# Altium PCB PCB1.PcbDoc (part 3 of 3)
Units mil, origin at the board's own origin, x right, y up, seen from the top; angles counter-clockwise.
Board outline 3937.01 x 2755.91 mil, 2 copper layers (Top Layer, Bottom Layer); 150 components, 153 nets, 622 pads, 617 vias.
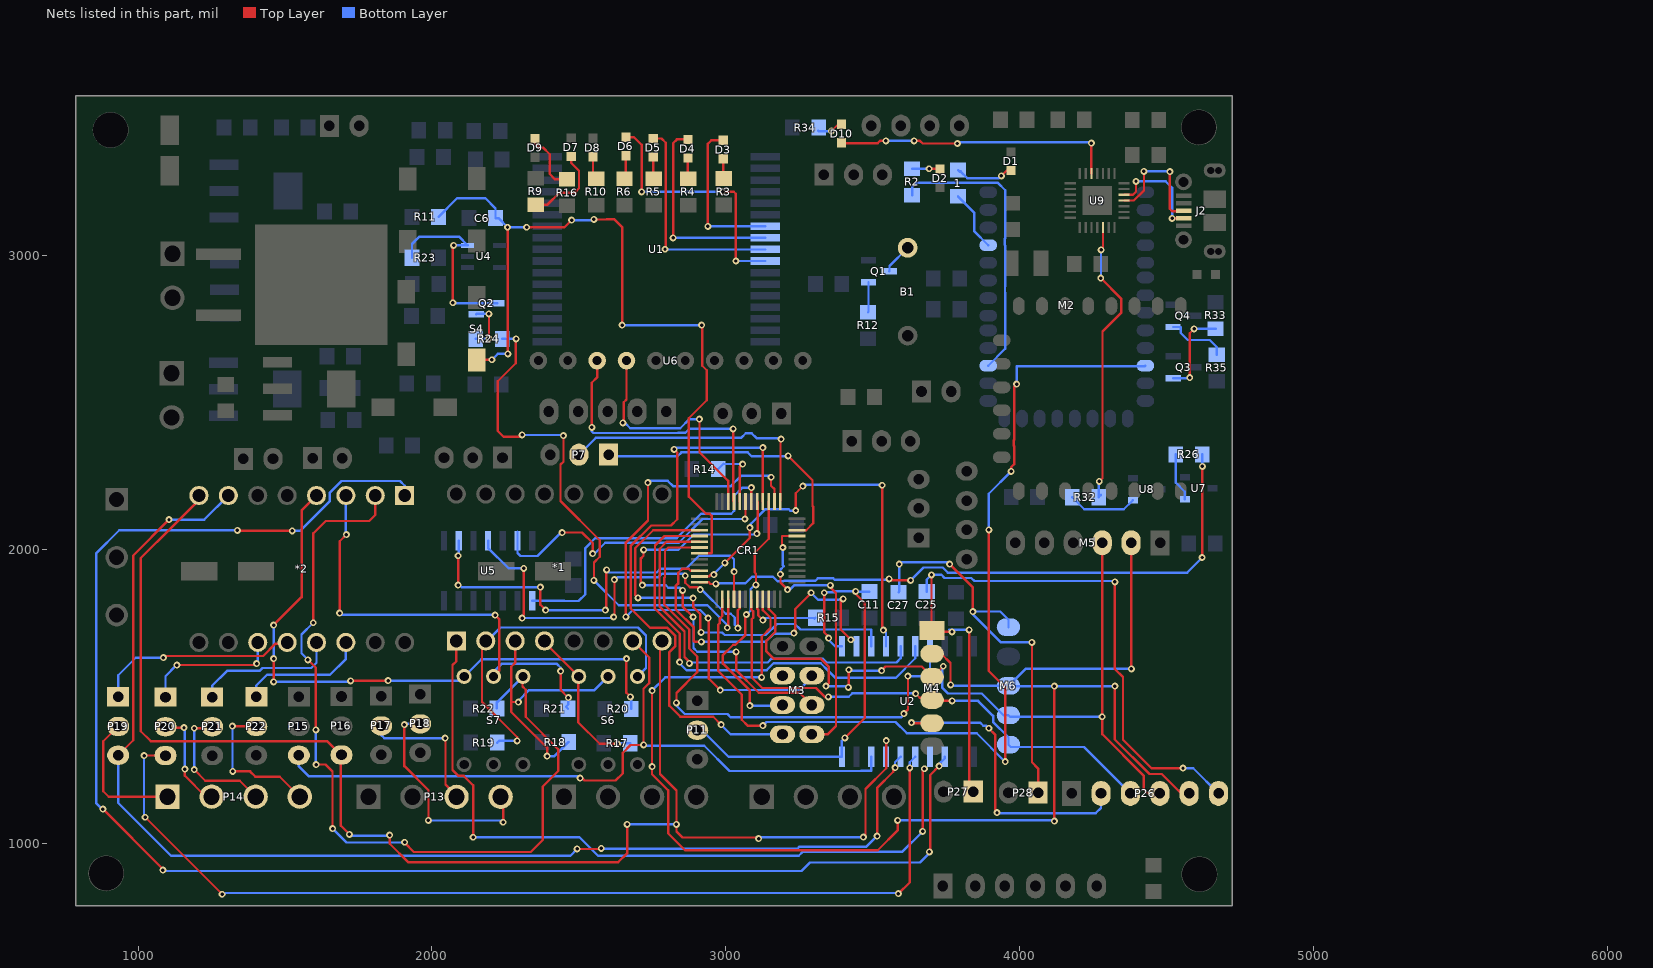
[diagram p3: the nets of this part, all layers, seen from the top]

## Via types
v1: diameter 23.62, hole 11.81, Top Layer to Bottom Layer, tented both sides, 615 vias
v2: diameter 23.62, hole 11.81, Top Layer to Bottom Layer, 2 vias

## Nets (pads, with @x,y where several pads share a name; then routed paths per layer and width w, separated by ;. In a path a pad name is that pad's centre, name@x,y a point inside that pad or via, vN(x,y) a via of type N, cw(c..) or ccw(c..) an arc to the next point about the centre after c; other vN are vias at no path point) (continued)
MTR1_C3: P13.3 P17.2 | length 477.7
  Top Layer w8: v1@2046,1357 2046,1199 2083.66,1161.34 P13.3@2083.66,1157.48
  Bottom Layer w8: P17.2@1827,1407 P17.2@1827,1399 1827,1368 1838,1357 v1@2046,1357
  other v1: 2045,1357
MTR1_C4: P13.4 P18.2 | length 761.6
  Top Layer w8: v1(1906,1403) 1906,1261.98 1987.99,1179.99 v1(1987.99,1077.01) ; P13.4@2233.66,1157.48 2242,1149.14 v1(2242,1071)
  Bottom Layer w8: v1(1906,1403) 1909,1406 P18.2@1960,1406 ; v1(1987.99,1077.01) 2235.99,1077.01 v1(2242,1071)
MTR1_DIR: *1.1 *2.1 P16.3 U2.17 | length 4904.4
  Top Layer w8: *2.1@1206,2184 *2.1@1207,2183 1207,2167.91 1115.28,2076.19 1115.19,2076.19 1009,1970 1009,1381 1043,1347 1643,1347 1690,1300 1690,1059 v1(1719,1030) ; v1(1856,1027) 1856,998 1918.81,935.19 2634.19,935.19 2664,965 v1(2664,1064) ; *1.1@2783,1688 2776,1681 2776,1235 2832,1179 v1(2832,1064) 2832,1040 2853,1019 3108,1019 v1(3112,1015) ; v1(3468.5,1020.5) 3475.58,1027.58 3475.58,1184.08 3546,1254.5 v1(3546,1349)
  Bottom Layer w8: v1(1719,1030) 1723.81,1025.19 1854.19,1025.19 v1(1856,1027) ; v1(2664,1064) v1(2832,1064) ; v1(3112,1015) 3117,1020 3469,1020 v1(3468.5,1020.5) ; U2.17@3545,1294 3545,1348 v1(3546,1349)
MTR1_ENB: *1.8 U2.14 | length 2522.7
  Top Layer w8: *1.8@2083,1688 2083,1619 2070,1606 2070,1249 2090.27,1228.73 2108.27,1228.73 2140,1197 v1(2140,1020) ; v1(3670,1040) 3670,1249 3676,1255 v1(3676,1253)
  Bottom Layer w8: v1(2140,1020) 2502,1020 2564.81,957.19 3248.01,957.19 3260.82,970 3600,970 v1(3670,1040)
MTR1_PWM: *1.2 P15.3 U2.18 | length 2583.8
  Top Layer w8: v1(2504,1221) 2504,1226 2505,1227 2519,1213 2625,1213 2649,1237 2649,1307 2676,1334 v1(2720,1334) 2720,1525.26 2738.74,1544 2739,1544 2740,1545 2740,1631 *1.2@2683,1688
  Bottom Layer w8: P15.3@1547,1307 P15.3@1547,1299 1547,1261 1580,1228 2497,1228 v1(2504,1221) ; v1(2720,1334) 2722.5,1331.5 2926.85,1331.5 3012.85,1245.5 3460.88,1245.5 3461.38,1246 3495,1246 U2.18@3495,1294
MTR2_A1: *2.13 P19.1 | length 696.8
  Top Layer w8: v1(1086,1631) 1092,1637 1426,1637 1467.84,1678.84 1507,1678.84 *2.13@1507,1683
  Bottom Layer w8: P19.1@932,1498 932,1571 992,1631 v1(1086,1631)
MTR2_A2: *2.14 P20.1 | length 469.8
  Top Layer w8: v1(1132,1606) 1400,1606 v1@1403,1609
  Bottom Layer w8: P20.1@1093,1497 1093,1568 v1@1129,1604 ; v1@1403,1609 1407,1613 *2.14@1407,1683
  other v1: 1403,1611
MTR2_B1: *2.12 P21.1 | length 495.3
  Bottom Layer w8: P21.1@1252,1497 1252,1536 1302.19,1586.19 1413.28,1586.19 1423.09,1596 1589,1596 1607,1614 *2.12@1607,1683
MTR2_B2: *2.11 P22.1 | length 431.7
  Bottom Layer w8: P22.1@1402,1503 1402,1536 1439,1573 1653,1573 1707,1627 *2.11@1707,1683
MTR2_C1: P14.1 P19.2 | length 467.6
  Top Layer w8: P19.2@932,1397 881.5,1346.5 881.5,1176.5 900,1158 P14.1@1100,1158
MTR2_C2: P14.2 P20.2 | length 349.9
  Top Layer w8: P20.2@1093,1396 1096,1393 v1(1156,1393) ; v1(1159,1252) 1159,1229 1230,1158 P14.2@1250,1158
  Bottom Layer w8: v1(1156,1393) 1159,1390 v1(1159,1252)
MTR2_C3: P14.3 P21.2 | length 451.2
  Top Layer w8: v1(1191,1250) 1228.66,1212.34 1345.66,1212.34 P14.3@1400,1158 ; v1(1191,1391) 1247,1391 P21.2@1252,1396
  Bottom Layer w8: v1(1191,1250) v1(1191,1391)
MTR2_C4: P14.4 P22.2 | length 500.7
  Top Layer w8: v1(1321,1398) 1398,1398 P22.2@1402,1402 ; v1(1322,1244) 1381,1244 1399,1226 1482,1226 P14.4@1550,1158
  Bottom Layer w8: v1(1321,1398) 1321,1245 v1(1322,1244)
MTR2_DIR: P20.3 U2.15 | length 3459.8
  Top Layer w8: v1(1020,1298) P20.3@1093,1298 ; v1(1024,1088) v1(1286,826) ; v1(3587,828) 3588,828 3626.58,866.58 3626.58,1255.42 v1(3626,1256)
  Bottom Layer w8: v1(1020,1298) 1020,1092 v1(1024,1088) ; v1(1286,826) 1286,819 1297.19,830.19 3584.81,830.19 v1(3587,828) ; v1(3626,1256) 3626,1275 U2.15@3645,1294
MTR2_ENB: *2.8 U2.13 | length 5377.7
  Top Layer w8: v1(880,1116) 1084,912 v1(1084,908) ; v1(1337.46,2064.51) 1339.28,2062.69 v1(1524.44,2062.69) ; v1(3693,970) 3695.5,972.5 3695.5,1231.5 v1(3726,1262)
  Bottom Layer w8: v1(880,1116) 877,1116 857,1136 857,1986 935.51,2064.51 v1(1337.46,2064.51) ; v1@1080,905 3258,905 3287,934 3661,934 3697,970 v1(3693,970) ; v1(1524.44,2062.69) 1551.01,2062.69 1652.48,2164.16 1652.48,2193.08 1691.59,2232.19 1891.31,2232.19 1907,2216.5 *2.8@1907,2183 ; v1(3726,1262) 3726,1269 3745,1288 U2.13@3745,1294
MTR2_PWM: *2.2 P19.3 U2.16 | length 4263
  Top Layer w8: P19.3@932,1299 983,1350 983,1979 v1(1105,2101) ; v1(2494,980) 2574,980 v1(2576,982) ; v1(3515,1024) 3515,1188 3570,1243 3570,1257 v1(3576,1257)
  Bottom Layer w8: P19.3@932,1299 932,1137 1112,957 2471,957 v1(2494,980) ; v1(1105,2101) 1225,2101 *2.2@1307,2183 ; v1@2577,981 3244,981 3251,988 3479,988 v1(3515,1024) ; v1(3576,1257) 3576,1275 U2.16@3595,1294
Net1_1: 1.1 M2.31 | length 208.8
  Bottom Layer w8: 1.1@3790,3201 3845,3146 3845,3082.89 M2.31@3893,3034.89
Net1_2: 1.2 D1.1 | length 205.1
  Top Layer w8: v1(3938,3271) 3956.01,3289.01 D1.1@3971,3289.01
  Bottom Layer w8: 1.2@3790,3291 3797,3284 3799,3286 3822.11,3262.89 3928.89,3262.89 3937,3271 v1(3938,3271)
Net*1_5: *1.5 R17.1 S6.6 | length 540.1
  Top Layer w8: *1.5@2383,1688 2383,1683.79 S6.6@2499.46,1567.32 2498,1565.86 2498,1410.95 2570.95,1338 v1(2631,1338)
  Bottom Layer w8: S6.6@2495.14,1563 S6.6@2499.46,1567.32 ; v1(2631,1338) 2633,1340 R17.1@2675,1340
Net*1_6: *1.6 R18.1 S6.5 | length 910.3
  Top Layer w8: *1.6@2283,1688 2283,1613 2270,1600 2270,1479 ; v1(2294,1480) 2271,1480 2270,1479 ; v1(2392,1296) 2392,1324 2270,1446 2270,1479
  Bottom Layer w8: v1(2294,1480) 2294,1484.25 2330.56,1520.81 2552.95,1520.81 S6.5@2599.46,1567.32 ; v1@2392,1295 v1(2392,1296) 2417,1296 R18.1@2465,1344
Net*1_7: *1.7 R19.1 S6.4 | length 1192.9
  Top Layer w8: *1.7@2183,1688 2170,1675 2170,1480 2290,1360 v1(2290,1348)
  Bottom Layer w8: *1.7@2183,1688 2187.54,1688 2233.54,1734 2701.32,1734 2728.48,1706.84 2728.48,1596.34 S6.4@2699.46,1567.32 ; R19.1@2222,1342 2228,1348 v1(2290,1348)
Net*2_5: *2.5 R20.1 S7.6 | length 2111.4
  Top Layer w8: v1(1461,1549) 1461,1627.84 v1(1461.16,1628) ; v1(1461.16,1742.16) 1556.19,1837.19 1556.19,2132.19 *2.5@1607,2183 ; v1(1723,1552) 1842,1552 1846,1548 v1(1851,1553) ; v1(2662,1628) 2660.87,1626.87 2660.87,1512.13 v1(2675,1498)
  Bottom Layer w8: v1(1461,1549) 1720,1549 v1(1723,1552) ; v1(1461.16,1628) 1461.16,1739.84 1460,1741 v1(1461.16,1742.16) ; v1(1851,1553) 2095.18,1553 S7.6@2109.51,1567.32 2168.18,1626 2660,1626 v1(2662,1628) ; v1(2675,1498) 2678.2,1494.8 R20.1@2678.2,1456.69
Net*2_6: *2.6 R21.1 S7.5 | length 1581.8
  Top Layer w8: v1(1686,1783) 1686,2027 v1(1709,2050) ; S7.5@2209.51,1567.32 2228.48,1586.3 2228.48,1762.52 v1(2215,1776) ; v1(2438,1585) 2438,1521 v1(2464,1495)
  Bottom Layer w8: v1(1686,1783) 1692.19,1776.81 2214.19,1776.81 v1(2215,1776) ; *2.6@1707,2183 1707,2052 v1(1709,2050) ; S7.5@2209.51,1567.32 2209.51,1582.51 2237,1610 2425,1610 2438,1597 v1(2438,1585) ; R21.1@2463,1457 2456,1464 2464,1472 v1(2464,1495)
Net*2_7: *2.7 R22.1 S7.4 | length 2944.2
  Top Layer w8: v1(1578,1623.86) 1605,1596.86 v1(1605,1385) ; v1(1596,1750) 1596,2054 1638.19,2096.19 1786.28,2096.19 1807,2116.91 *2.7@1807,2183 ; v1(1606,1267.32) 1637.68,1267.32 1661.52,1243.48 v1(1661.52,1049.52) ; v1(1907,1003) 1906,1002 1938.13,969.87 2335.87,969.87 2377,1011 2377,1192.73 2430,1245.73 2430,1319 2319,1430 2319,1522 2308,1533 2308,1565.82 S7.4@2309.51,1567.32 S7.4@2319,1557.83
  Bottom Layer w8: v1(1578,1623.86) 1556,1645.86 1556,1710 v1(1596,1750) ; v1(1605,1385) 1605,1268.32 v1(1606,1267.32) ; v1@1661,1049 v1(1661.52,1049.52) 1708.81,1002.19 1906.19,1002.19 v1(1907,1003) ; R22.1@2221,1458 2221,1478.82 S7.4@2309.51,1567.32
NetB1_2: B1.2 Q1.3 | length 106.5
  Bottom Layer w8: Q1.3@3556.36,2946 3557,2946 3557,2964.21 B1.2@3619,3026.21
NetC25_2: C25.2 M4.1 P26.6 P27.1 | length 2566.1
  Top Layer w8: v1(3700,1913) M4.1@3700,1744 ; v1(3769.83,1719.19) 3706.03,1719.19 M4.1@3702,1723.22 ; v1(3828,1726) 3828,1189 P27.1@3842,1175 ; v1(4324,1889) 4324,1593 4352,1565 4352,1352 4449,1255 v1(4556,1255) ; M4.1@3700,1744 3702,1742 M4.1@3702,1723.22 ; M4.1@3700,1744 3700,1725.22 M4.1@3702,1723.22
  Bottom Layer w8: C25.2@3684,1856 3684,1897 v1(3700,1913) 3734,1913 3744.5,1902.5 3835.5,1902.5 3846,1892 4321,1892 v1(4324,1889) ; v1(3769.83,1719.19) 3766.81,1719.19 3760,1726 v1(3828,1726) ; v1(4556,1255) 4591,1255 P26.6@4677,1169
NetC27_2: C27.2 M6.1 P28.1 | length 1386.8
  Top Layer w8: v1(3761.5,1949.5) 3841,1870 v1(3841,1788) ; v1(4042,1683) 4042,1275 4063,1254 P28.1@4063,1172
  Bottom Layer w8: C27.2@3588,1854 3590.24,1856.24 v1(3590.24,1949.5) 3596.55,1955.81 3755.19,1955.81 v1(3761.5,1949.5) ; v1@3840,1780 3937,1683 v1(4042,1683) ; v1(3841,1788) 3934,1788 3962,1760 M6.1@3962,1735
NetCR1_3: CR1.3 U2.3 | length 1402
  Top Layer w8: v1(2701.19,1834.81) 2692,1844 2692,2004.09 2752.81,2064.9 CR1.3@2911,2064.9 ; v1(2889,1834) 2889,1803.16 2912.81,1779.34 2912.81,1710.81 2916,1714 v1(2916,1717)
  Bottom Layer w8: v1@2708.19,1834.81 2888.19,1834.81 v1(2889,1834) ; v1(2916,1717) 2987.33,1717 2996.14,1708.19 3136.16,1708.19 3173.79,1745.81 3234.86,1745.81 3253.67,1727 3495,1727 U2.3@3495,1670
NetCR1_4: CR1.4 U2.6 | length 1520.2
  Top Layer w8: v1(2843,1616) 2843.48,1616.48 2843.48,1713.45 2758.19,1798.74 2758.19,1916.12 2759,1916.93 2759,2013 2791.21,2045.21 CR1.4@2911,2045.21
  Bottom Layer w8: v1(2843,1616) 2838.33,1616 2866.14,1588.19 3138.79,1588.19 3162.6,1612 3323.4,1612 3348,1587.4 3373.21,1562.19 3578.19,1562.19 3645,1629 U2.6@3645,1670
NetCR1_5: CR1.5 U2.5 | length 1356.2
  Top Layer w8: v1(2876,1612) 2876,1616.67 2859.48,1633.19 2859.48,1720.07 2774.19,1805.36 2774.19,1909.49 2775,1910.3 2775,2002 2798.53,2025.53 CR1.5@2911,2025.53
  Bottom Layer w8: v1(2876,1612) 2878.81,1614.81 3142.79,1614.81 3155.98,1628 3330.02,1628 3343.21,1614.81 3580.81,1614.81 3595,1629 U2.5@3595,1670
NetCR1_6: CR1.6 U2.7 | length 1818.7
  Top Layer w8: v1(2832,1477) 2832,1511 2903,1582 2903,1635 2875.48,1662.52 2875.48,1726.7 2790.19,1811.99 2790.19,1902.86 2793,1905.67 2793,1995 2803.84,2005.84 CR1.6@2911,2005.84 ; v1(3606,1441) 3620,1455 v1(3620,1568)
  Bottom Layer w8: v1(2832,1477) 2832,1467.62 2860.12,1439.5 3005.24,1439.5 3016.74,1428 3596,1428 3606,1438 v1(3606,1441) ; v1(3620,1568) 3668,1568 3695,1595 U2.7@3695,1670
NetCR1_10: CR1.10 U2.2 | length 1142.4
  Top Layer w8: CR1.10@2911,1927.1 2880.22,1927.1 2873.51,1933.81 2852.14,1933.81 2838.19,1919.86 2838.19,1903.24 2837.81,1902.86 2837.81,1883.14 2829.19,1874.52 2829.19,1795.62 2891.48,1733.33 2891.48,1687.52 2894,1685 v1(2917,1685) ; v1(3232,1714.6) 3235.81,1718.41 3235.81,1796.19 v1@3290.81,1851.19 ; v1@3390.81,1826.56 3395.25,1831 v1(3399,1831) ; v1@3391,1826.37 3391,1727 v1(3426,1692)
  Bottom Layer w8: v1(2917,1685) 3135.6,1685 3162.6,1712 3223.4,1712 3226.4,1709 v1(3232,1714.6) ; v1(3290,1852) 3313.81,1828.19 3396.19,1828.19 v1(3399,1831) v1@3399,1834
NetCR1_11: CR1.11 U2.4 | length 1372.7
  Top Layer w8: CR1.11@2911,1907.42 2943.01,1907.42 2952.73,1917.14 2955.91,1913.96 v1(2959.38,1913.96) ; v1(2997,1954) 3082,2039 v1(3082,2074) ; v1(3238,2132) 3238,2190.82 v1(3262,2214.82) ; v1(3532,2218) 3532,1729 v1(3536,1725)
  Bottom Layer w8: v1(2959.38,1913.96) 2960,1914.59 2960,1917 v1(2997,1954) ; v1@3085,2074 3085,2086.47 3135.34,2136.81 3213.33,2136.81 3219.14,2131 3237,2131 v1(3238,2132) ; v1(3262,2214.82) 3266.99,2219.81 3530.19,2219.81 v1(3532,2218) ; v1(3536,1725) 3545,1716 U2.4@3545,1670
NetCR1_12: CR1.12 R26.1 | length 2152.4
  Top Layer w8: CR1.12@2911,1887.73 2942,1887.73 2947.73,1882 v1(2966,1882) ; v1(3556,1899) 3556,1896 3558,1894 v1(3629,1894) ; v1(4621,1972) 4622,1973 v1(4622,2282)
  Bottom Layer w8: v1(2966,1882) 2961.38,1882 2959.19,1884.19 3066.49,1884.19 3089.11,1906.81 3160.52,1906.81 3176.14,1891.19 3196.56,1891.19 3198.37,1893 3305.3,1893 3313.11,1900.81 3365.86,1900.81 3369.86,1896.81 3553.19,1896.81 v1@3556,1894 ; v1(3629,1894) 3672.81,1937.81 3738.1,1937.81 3755.41,1920.5 4570.5,1920.5 4621,1971 v1(4621,1972) ; R26.1@4621,2323 4621,2283 v1(4622,2282)
NetCR1_14: CR1.14 M2.11 | length 3263.4
  Top Layer w8: CR1.14@2988.42,1830 2988.42,1773.51 2979.81,1764.9 2979.81,1749.51 2974.09,1743.79 2974.09,1585.54 3054.19,1505.44 3054.19,1419.97 3074.16,1400 v1(3126.21,1400) ; v1(3895,2066) 3895,1586 3951,1530 v1(3951,1277) ; v1(3971,2265) 3971,2279.15 3981.3,2289.45 3981.3,2351.03 3980.19,2352.14 3980.19,2371.86 3981.3,2372.97 3981.3,2553.3 v1(3990,2562)
  Bottom Layer w8: v1(3126.21,1400) 3138.21,1412 3578,1412 3616.19,1373.81 3853.79,1373.81 3950.6,1277 v1(3951,1277) ; v1(3895,2066) 3895,2189 v1(3971,2265) ; v1(3990,2562) 3990.19,2562.19 3990.19,2623.19 4426.3,2623.19 M2.11@4428,2624.89
NetCR1_15: CR1.15 R24.2 | length 1809.9
  Top Layer w8: v1(2286,2716) 2285,2715 2285,2633.08 2224,2572.08 2224,2402.33 2243.33,2383 2307.5,2383 2307,2383.5 v1(2307,2389) ; v1(2447,2387) 2447.5,2386.5 2447.5,2298.15 2437.52,2288.17 2437.52,2163.94 2570.81,2030.64 2570.81,1974.3 2551.19,1954.67 2551.19,1894.19 v1(2551,1894) ; v1(3005,1733) 3008.1,1736.1 CR1.15@3008.1,1830
  Bottom Layer w8: R24.2@2239,2716 v1(2286,2716) ; v1(2307,2389) 2445,2389 v1(2447,2387) ; v1(2551,1894) 2635.71,1809.29 2937.71,1809.29 3005,1742 v1(3005,1733)
NetCR1_16: CR1.16 U5.2 | length 1471.9
  Top Layer w8: v1(2088.97,1877.81) v1(2089,1978) ; v1(2369,1871) 2369,1811 v1(2387,1793) ; v1(2590,1793) 2593.19,1796.19 2593.19,1929.19 v1(2594,1930) ; CR1.16@3027.79,1830 3027.79,1923.79 v1(3028,1924)
  Bottom Layer w8: v1(2088.97,1877.81) v1@2088.97,1882.97 ; v1@2089,1883 2101,1871 v1(2369,1871) ; v1(2089,1978) 2091,1980 U5.2@2091,2029.5 ; v1(2387,1793) v1(2590,1793) ; v1(2594,1930) 2602.81,1921.19 2764.74,1921.19 2777.67,1934.11 2865.5,1934.11 2909.2,1977.81 3016.19,1977.81 3028,1966 v1(3028,1924)
NetCR1_17: CR1.17 U5.4 | length 1424.4
  Top Layer w8: v1(2307,1766) 2304,1769 2312.37,1777.37 v1(2312.37,1935.14) ; v1(2618.48,1769.48) 2617,1770.96 2621,1774.96 v1(2621,1897) ; v1(2862,1910) 2862,1886.26 2877.03,1871.23 2904.77,1871.23 v1(2913,1863) ; v1(3041,1732) 3041,1792.74 3047.47,1799.21 CR1.17@3047.47,1830
  Bottom Layer w8: U5.4@2191,2029.5 2191,2004.37 2260.23,1935.14 v1(2312.37,1935.14) ; v1(2307,1766) 2615,1766 v1(2618.48,1769.48) ; v1(2621,1897) 2624,1897 2632.19,1905.19 2771.37,1905.19 2782.99,1916.81 2858,1916.81 v1@2862,1912.81 ; v1(2913,1863) 2917.67,1863 2999.86,1780.81 3016.86,1780.81 3030.19,1767.48 3030.19,1742.81 v1(3041,1732)
NetCR1_20: CR1.20 R15.1 | length 264.5
  Top Layer w8: CR1.20@3106.53,1830 3106.53,1797.77 3109.81,1794.49 3109.81,1775.4 v1(3126.21,1759)
  Bottom Layer w8: v1(3126.21,1759) 3126.21,1761.79 3130.42,1766 3213.67,1766 3300,1766 3302,1764 R15.1@3305,1767
NetCR1_33: CR1.33 M3.8 | length 982.9
  Top Layer w8: v1(3186,1915) 3186,1887 v1(3210,1863) ; v1(3194.19,2006.01) 3191,2009.2 3191,2045.21 CR1.33@3243,2045.21 ; M3.8@3293,1370 3346,1370 3375,1399 3375,1811.81 3374.81,1812 3374.81,1850.86 3356,1869.67 v1(3356,1877)
  Bottom Layer w8: v1(3186,1915) 3186,1931 3197,1942 3194.19,1944.81 v1(3194.19,2006.01) ; v1(3210,1863) 3218,1863 3232,1877 v1(3356,1877)
NetCR1_38: CR1.38 M3.4 | length 1923.1
  Top Layer w8: v1(2660,1770) 2660,2023 2735,2098 v1(2735,2227) ; v1(2940,1766) 2942.09,1763.91 2942.09,1559.91 v1(2981,1521) ; v1(3154,2245.16) 3154,2216.37 3165.58,2204.79 CR1.38@3165.58,2162
  Bottom Layer w8: v1(2660,1770) 2683.29,1793.29 2912.71,1793.29 v1(2940,1766) ; v1(2735,2227) 2735,2228.96 2739.52,2233.48 2801.84,2233.48 2820.32,2215 3016.75,2215 3051.56,2249.81 3149.35,2249.81 v1(3154,2245.16) ; v1(2981,1521) 3249,1521 3295.5,1567.5 M3.4@3293,1570
NetCR1_39: CR1.39 M3.5 | length 923.9
  Top Layer w8: v1(3070,1778) 3070,1779 3066.7,1779 3066.7,1708.7 3032.81,1674.81 3025.14,1674.81 2990.09,1639.76 2990.09,1611 3082,1519.08 v1(3082,1468) ; v1(3102,1879) 3103,1879 3103,1916.33 3098.19,1921.14 3098.19,1988.41 3145.9,2036.12 CR1.39@3145.9,2162
  Bottom Layer w8: v1(3070,1778) 3071.28,1778 3084,1790.72 3084,1864 3099,1879 v1(3102,1879) ; v1(3082,1468) 3191,1468 M3.5@3193,1470
NetCR1_40: CR1.40 M3.7 | length 2004.5
  Top Layer w8: v1@2826.1,2340 v1(2824,2340) 2835.04,2328.96 2835.04,2102.04 2813.9,2080.9 2746.18,2080.9 2676,2010.72 2676,1799.21 2742.73,1732.48 2801.42,1732.48 2827.48,1706.42 2827.48,1669.58 2807.92,1650.02 2807.92,1467.41 2845.33,1430 2957,1430 v1(2984,1403) ; CR1.40@3126.21,2162 v1(3126.21,2346.21)
  Bottom Layer w8: v1(2824,2340) 2829.81,2345.81 3125.81,2345.81 v1(3126.21,2346.21) ; v1(2984,1403) 3017,1370 M3.7@3193,1370
NetCR1_41: CR1.41 M3.6 | length 1537
  Top Layer w8: v1(2716,1877.72) 2711,1882.72 2711,1969 2720.11,1978.11 v1(2720.11,1998.11) ; v1(2853,1860) 2853,1805.48 v1(2889,1769.48) ; v1(3035,1651) 3035,1588.86 3111.86,1512 3251,1512 M3.6@3293,1470 ; v1@3106,2051.57 v1@3106.53,2051.04 ; v1(3106,2053) 3106,2051.86 3106.67,2051.18 v1@3106.53,2051.04 ; CR1.41@3106.53,2162 3108.81,2159.72 3108.81,2048.76 v1@3106.53,2051.04
  Bottom Layer w8: v1(2716,1877.72) 2795.04,1877.72 2795.33,1878 2804.14,1869.19 2843.81,1869.19 v1(2853,1860) v1@2853,1866 ; v1(2720.11,1998.11) 2838.99,1998.11 2891.06,2050.19 3103.19,2050.19 v1(3106,2053) ; v1(2889,1769.48) 2890,1768.48 2890,1664 2903,1651 v1(3035,1651)
NetCR1_42: CR1.42 U5.8 | length 1075.6
  Top Layer w8: CR1.42@3086.84,2162 3087,2162.16 v1(3087,2210)
  Bottom Layer w8: U5.8@2341,1824.5 2450.5,1824.5 2451,1824 2498.88,1824 2522,1847.12 2522,2004 2555.92,2037.92 2832.92,2037.92 2915.81,2120.81 3018.28,2120.81 3029,2131.53 3029,2182 3057,2210 v1(3087,2210)
NetCR1_43: CR1.43 U5.6 | length 1058.3
  Top Layer w8: v1(2443,2057) 2511,2057 2547,2021 v1(2547,1985) 2547,1982 v1@2545,1980 ; v1(3065,2103) 3067.16,2105.16 CR1.43@3067.16,2162
  Bottom Layer w8: U5.6@2291,2060 U5.6@2291,2029.5 2291,1987 2301,1977 2359,1977 2439,2057 v1(2443,2057) ; v1(2547,1985) 2547,1979 2589.92,2021.92 2839.55,2021.92 2920.63,2103 v1(3065,2103)
NetCR1_44: CR1.44 R14.1 | length 223.4
  Top Layer w8: CR1.44@3047.47,2162 3047.47,2281.47 3056,2290 v1(3057,2290)
  Bottom Layer w8: R14.1@2974,2273 2992,2291 2993,2290 v1(3057,2290)
NetCR1_45: CR1.45 U6.3 | length 986.6
  Top Layer w8: v1(2544,2415) 2544,2567 2562,2585 U6.3@2562,2642 ; v1(3025,2410) 3025,2164.79 CR1.45@3027.79,2162
  Bottom Layer w8: v1(2544,2415) 2544,2401 2549.19,2395.81 2838.47,2395.81 2838.66,2396 2861.97,2396 2875.97,2410 v1(3025,2410)
NetCR1_46: CR1.46 U6.4 | length 835
  Top Layer w8: v1@2652.5,2430 2652.5,2500.35 2662,2509.85 U6.4@2662,2642 ; v1(2910,2443) 2910,2444 2910.5,2444.5 2910.5,2330.49 3008.1,2232.89 CR1.46@3008.1,2162
  Bottom Layer w8: v1(2650,2430) 2657,2430 2675,2412 2845.14,2412 2876.14,2443 v1(2910,2443) ; U6.4@2652,2632 U6.4@2662,2642
NetD2_1: D2.1 R2.2 | length 95.2
  Top Layer w8: v1(3692,3295) 3692.5,3294.5 D2.1@3729,3294.5
  Bottom Layer w8: R2.2@3634,3295 v1(3692,3295)
NetD3_1: D3.1 R3.1 | length 67.6
  Top Layer w8: D3.1@2991.5,3329.01 2991.5,3263.5 R3.1@2993,3262
NetD3_2: D3.2 U1.7 | length 533
  Top Layer w8: v1(2939,3099.22) 2939,3380 2951,3392 D3.2@2991.5,3392
  Bottom Layer w8: v1(2939,3099.22) U1.7@3133.73,3099.22
NetD4_1: D4.1 R4.1 | length 71.1
  Top Layer w8: D4.1@2871,3332.01 2871,3262.3 R4.1@2872,3261.3
NetD4_2: D4.2 U1.8 | length 690.6
  Top Layer w8: v1(2821,3059.85) 2821,3382.5 2833.5,3395 D4.2@2871,3395
  Bottom Layer w8: v1(2821,3059.85) U1.8@3133.73,3059.85
NetD5_1: D5.1 R5.1 | length 75
  Top Layer w8: D5.1@2753,3335.13 2753,3263 R5.1@2755,3261
NetD5_2: D5.2 U1.9 | length 753
  Top Layer w8: D5.2@2753,3398.13 2780.87,3398.13 2795.5,3383.5 2795.5,3023.5 v1(2793,3021)
  Bottom Layer w8: v1(2793,3021) 2793.52,3020.48 U1.9@3133.73,3020.48
NetD6_1: D6.1 R6.2 | length 80.6
  Top Layer w8: R6.2@2655,3261 2660,3266 D6.1@2660,3339.5
NetD6_2: D6.2 U1.10 | length 879.5
  Top Layer w8: D6.2@2660,3402.5 2687.76,3402.5 2713.5,3376.75 v1(2713.5,3216.5) ; v1(2989,3217) 3027,3217 3034,3210 v1(3034,2981.11)
  Bottom Layer w8: v1(2713.5,3216.5) 2717,3213 2721,3217 v1(2989,3217) ; v1(3034,2981.11) U1.10@3133.73,2981.11
NetD7_1: D7.1 R9.1 | length 289.4
  Top Layer w8: R9.1@2353,3173 2393.12,3173 2433.12,3213 2484.88,3213 2500.5,3228.62 2500.5,3288.5 2474,3315 D7.1@2474,3336.5
NetD8_1: D8.1 R10.1 | length 79.3
  Top Layer w8: D8.1@2548,3335.77 2548,3272 R10.1@2559,3261
NetD9_2: D9.2 R16.2 | length 215.3
  Top Layer w8: D9.2@2351,3397.5 2351,3381 2365,3367 2378,3367 2400.5,3344.5 2400.5,3277.5 2419,3259 R16.2@2460,3259
NetD10_1: D10.1 U9.12 | length 966.3
  Top Layer w8: D10.1@3394,3383.5 3395.32,3382.19 3517.19,3382.19 3525,3390 v1(3545,3390) ; v1(3641,3390) 3661,3390 3670,3381 v1(3788,3381) ; v1(4244,3382) 4244,3278.81 U9.12@4244.31,3278.5
  Bottom Layer w8: v1(3545,3390) v1(3641,3390) ; v1@3788,3383 3789.81,3384.81 4244.57,3384.81 4242,3382.24 v1@4242,3382
NetD10_2: D10.2 R34.2 | length 89.1
  Top Layer w8: v1(3359,3423) 3382.5,3446.5 D10.2@3394,3446.5
  Bottom Layer w8: R34.2@3315,3424 3316,3423 v1(3359,3423)
NetM2_24: M2.24 R2.1 | length 983.7
  Bottom Layer w8: R2.1@3634,3205 3634,3232 3648.89,3246.89 3926.11,3246.89 3950.98,3222.02 3950.98,3058.07 3949.19,3056.28 3949.19,3035.72 3950.98,3033.93 3950.98,2894.66 3950.19,2893.86 3950.19,2874.14 3950.98,2873.34 3950.98,2682.87 M2.24@3893,2624.89
NetM3_3: M3.3
NetQ1_1: Q1.1 R12.2 | length 102.2
  Bottom Layer w8: R12.2@3484,2807 3485.79,2808.79 Q1.1@3485.79,2908.5
NetQ2_1: Q2.1 R24.1 | length 172.8
  Top Layer w8: v1(2194,2717) v1(2194,2801)
  Bottom Layer w8: R24.1@2149,2716 2193,2716 v1(2194,2717) ; Q2.1@2151,2800 2152,2801 v1(2194,2801)
NetQ2_3: Q2.3 R23.1 U4.3 | length 654.3
  Top Layer w8: v1(2071,2839) 2071,3032 v1(2073.4,3034.4)
  Bottom Layer w8: R23.1@1932,2992 1932,3039 1957,3064 2091.65,3064 U4.3@2121.25,3034.4 v1(2073.4,3034.4) ; v1(2071,2839) 2072.5,2837.5 Q2.3@2221.57,2837.5
NetQ3_1: Q3.1 R33.2 | length 302.9
  Top Layer w8: v1(4579,2584) 4579,2735 v1(4594,2750)
  Bottom Layer w8: Q3.1@4522.79,2581.5 4576.5,2581.5 v1(4579,2584) ; v1(4594,2750) 4595,2751 R33.2@4667,2751
NetQ4_1: Q4.1 R35.1 | length 215.6
  Bottom Layer w8: Q4.1@4521.79,2756.5 4548,2756.5 4548,2736 4572,2712 4647,2712 4671,2688 R35.1@4671,2662
NetR26_2: R26.2 U7.1 | length 166.3
  Bottom Layer w8: R26.2@4531,2323 4531,2227 4562,2196 U7.1@4562,2169.5
NetR32_1: R32.1 U8.1 | length 235.6
  Bottom Layer w8: R32.1@4179,2177 4220,2136 4354.5,2136 U8.1@4385,2166.5
NetR32_2: R32.2 U9.26 | length 992
  Top Layer w8: v1(4271,2231) 4281.81,2241.81 4281.81,2740.88 4345.26,2804.33 4345.26,2853.74 v1(4276,2923) ; v1(4277,3019) 4278,3019 4283.68,3024.68 U9.26@4283.68,3095.5
  Bottom Layer w8: v1@4269,2230 R32.2@4269,2177 R32.2@4277,2185 ; v1(4276,2923) 4277,2924 v1(4277,3019)
NRST: C6.2 CR1.7 R11.1 S4.1 | length 2775.9
  Top Layer w8: S4.1@2155.79,2643.7 S4.1@2152,2643.7 2153.3,2645 v1(2204,2645) ; v1(2258,2665) v1@2258,3094 ; v1(2322,3096) 2451,3096 v1(2475,3120) ; v1(2551,3122.5) 2593.83,3122.5 2594.14,3122.81 2620.82,3122.81 2647,3096.63 v1(2647,2763) ; CR1.7@2911,1986.16 2950.2,1986.16 2952,1987.95 2952,2113.74 2944.97,2120.77 2932.56,2120.77 2874,2179.33 2874,2446 2935,2507 2935,2609.6 2920,2624.6 2920,2763 v1(2918,2763)
  Bottom Layer w8: R11.1@2022,3131 2086,3195 2181,3195 2216,3160 C6.2@2216,3127 2226,3127 v1(2257,3096) v1(2322,3096) ; v1(2204,2645) 2224,2665 v1(2258,2665) ; v1(2475,3120) 2548.5,3120 v1(2551,3122.5) ; v1(2647,2763) v1(2918,2763)
RF_CS: M4.5 P26.2 | length 1051.5
  Top Layer w8: v1(3632,1410) 3633.74,1408.26 M4.5@3702,1408.26 ; v1(3895,1391) 3916.5,1369.5 3916.5,1110.5 v1(3923,1104)
  Bottom Layer w8: v1(3632,1410) 3865.33,1410 3876.14,1399.19 3886.81,1399.19 v1(3895,1391) ; v1(3923,1104) 3925,1102 4259,1102 4277,1120 P26.2@4277,1169
RF_RXD: CR1.21 M4.2 M5.2 M6.3 P26.5 | length 5152.7
  Top Layer w8: v1(2749.01,1519.19) v1(2749,1260) 2749,1234.53 2803.54,1179.99 2803.54,1033.46 2861,976 3517,976 3585.74,1044.74 3585.74,1076.94 v1(3585,1077.68) ; v1(3122,1564) 3122,1702 3152,1732 3152,1766.89 3126.21,1792.67 CR1.21@3126.21,1830 ; M4.2@3702,1644.48 3733.52,1644.48 3764.81,1613.19 v1(3764.81,1538.77) ; v1(4118,1075) v1(4118,1534) ; v1(4324,1534) 4324,1353 4442,1235 4483.93,1235 4549.93,1169 P26.5@4577,1169 ; M5.2@4379.43,2022 4379.43,1593.57 v1(4380,1593)
  Bottom Layer w8: v1(2749.01,1519.19) 2793.82,1564 v1(3122,1564) v1@3119.26,1566.74 ; v1(3585,1077.68) 4115.32,1077.68 v1(4118,1075) ; v1(3764.81,1538.77) 3764.81,1537.81 3762,1535 M6.3@3962,1535 ; v1(4324,1534) v1(4118,1534) 3963,1534 M6.3@3962,1535 ; v1(4380,1593) 4020,1593 M6.3@3962,1535
RF_SET: CR1.19 M4.4 M6.5 P26.3 | length 1763.2
  Top Layer w8: CR1.19@3086.84,1830 3086.84,1794.83 3093.81,1787.86 3093.81,1768.14 3088.05,1762.38 3088.05,1747 3088.19,1746.86 3088.19,1564.14 3124.33,1528 3307.4,1528 3339.4,1496 3349,1496 v1(3349,1498) ; v1(3646,1509) 3660,1495 3694,1495 M4.4@3702,1487 3705,1484 v1(3770,1484)
  Bottom Layer w8: v1(3349,1498) 3418.67,1498 3430.67,1510 3645,1510 v1(3646,1509) ; v1(3770,1484) 3858.67,1484 3909.81,1432.86 3909.81,1412.28 3962,1360.09 M6.5@3962,1335 3970,1327 4219,1327 P26.3@4377,1169
RF_TXD: CR1.22 M4.3 M5.3 M6.4 P26.4 | length 2633.8
  Top Layer w8: CR1.22@3145.9,1830 3145.9,1796.27 3168,1774.17 3168,1718.81 3138,1688.81 3138,1652.6 3163.6,1627 3323.81,1627 3350,1600.81 3350,1543 v1(3341,1534) ; v1(3417,1530) 3419,1532 v1(3419,1590) ; v1(3530,1587) 3543.81,1600.81 3666.93,1600.81 M4.3@3702,1565.74 3703.74,1565.74 v1(3740,1602) ; M5.3@4281,2022 v1(4281,1430) 4281,1371 4422,1230 4422,1183 4436,1169 P26.4@4477,1169 P26.4@4487,1169
  Bottom Layer w8: v1(3341,1534) 3413,1534 v1(3417,1530) ; v1@3419,1587 v1(3530,1587) ; v1(3740,1602) 3740,1603 3737,1606 3737,1528 3756,1509 3871.33,1509 3945.33,1435 M6.4@3962,1435 3967,1430 v1(4281,1430)
SWCLK: CR1.37 P7.2 | length 937.5
  Top Layer w8: CR1.37@3186,2164.73 3186,2373 v1(3188,2375)
  Bottom Layer w8: P7.2@2500,2322 2557.81,2379.81 2845.1,2379.81 2845.29,2380 3053.33,2380 3068.14,2394.81 3087.86,2394.81 3104.46,2378.21 3184.79,2378.21 v1(3188,2375)
SWDIO: CR1.34 P7.1 | length 953.7
  Top Layer w8: v1(3212,2318) 3295,2235 3295,2147.67 3297.81,2144.86 3297.81,2088.92 3273.79,2064.9 CR1.34@3243,2064.9
  Bottom Layer w8: P7.1@2601,2318 2602.81,2316.19 2739.52,2316.19 2740.14,2316.81 2813.52,2316.81 2814.14,2316.19 2833.86,2316.19 2834.48,2316.81 2835.71,2316.81 2848.71,2329.81 3074.49,2329.81 3088.11,2316.19 3210.19,2316.19 v1(3212,2318)
USB_D_N: J2.2 U9.5 | length 361.1
  Top Layer w8: U9.5@4355.5,3206.68 4385.68,3206.68 4396,3217 v1(4396,3252) ; v1(4518.81,3126) 4515.35,3126 4515.17,3126.17 J2.2@4558.69,3126.17
  Bottom Layer w8: v1@4398,3252 4497.16,3252 4518.81,3230.35 v1(4518.81,3126)
USB_D_P: J2.3 U9.4 | length 412.6
  Top Layer w8: U9.4@4355.5,3187 4388.63,3187 4423,3221.37 v1(4423,3286) ; v1(4511,3285) 4511,3159 4519,3151 J2.3@4558.69,3151
  Bottom Layer w8: v1(4423,3286) 4506,3286 4507,3287 4509,3285 v1(4511,3285)
VCC_245: C11.2 P11.2 U2.1 U2.20 | length 1524.9
  Top Layer w8: v1(3335,1852) 3335,1717 3351,1701 3349,1699 v1(3350,1698) ; v1(3405,1358) 3473,1426 3473,1817 3442,1848 v1(3442,1857)
  Bottom Layer w8: P11.2@2903,1384 2919,1384 3009,1294 U2.20@3395,1294 3395,1348 v1(3405,1358) ; v1(3335,1852) 3336.19,1853.19 3369.86,1853.19 3373.67,1857 v1@3435,1857 ; v1(3350,1698) 3350,1692 3372,1670 U2.1@3395,1670 ; v1(3442,1857) v1@3435,1857 ; C11.2@3489,1856 3434,1856 v1@3435,1857
pads on no net: *1.15 *2.15 CR1.1 J2.4 J2.6 J2.7 J2.10 J2.11 J2.S_1 J2.S_1_H1 J2.S_1_H2 J2.S_2 J2.S_2_H1 J2.S_2_H2 M1.1 M1.6 M2.3 M2.4 M2.5 M2.6 M2.7 M2.8 M2.9 M2.10 M2.14 M2.15 M2.16 M2.17 M2.18 M2.19 M2.20 M2.23 M2.25 M2.27 M2.28 M2.29 M2.30 M2.32 M2.33 M5.4 M5.5 U1.4 U1.5 U1.6 U1.13 U1.14 U1.15 U1.16 U1.17 U1.21 U1.22 U2.8 U2.9 U2.11 U2.12 U4.4 U5.10 U5.11 U5.12 U5.13 U6.5 U6.6 U6.7 U6.8 U6.9 U6.10 U9.1 U9.2 U9.9 U9.10 U9.11 U9.13 U9.14 U9.15 U9.16 U9.17 U9.18 U9.19 U9.20 U9.21 U9.22 U9.23 U9.27

## Polygon pours and split planes (outlines as drawn)
no net on Bottom Layer (solid, pour order 14): 1494.48,1973.89
no net on Bottom Layer (solid, pour order 6): 1930.75,1898.76
no net on Bottom Layer "Bottom Layer-No Net" (solid, pour order 0): 787,3543

## Keep-outs
Keep-Out Layer:
  lines w10: 785.09,3543 785.09,789.1 786.1,788.09 4723.1,788.09 ; 785.09,3544 4722.1,3544 ; 4723,788.09 4723,3544 ; 4722,3544 4722,3544 ; 4722,3544 4722,3544

## Other copper
Top Layer:
  region net GND: 1347.06,2531.49 1348.4,2597.19 1340.94,2604.24 1257.71,2604.24 1250.86,2597.39 1251.46,2596.78 1251.46,2531.49 1255.11,2527.85 1341.25,2527.22
  region net 12V_STEP: 1430.52,2143.68 1418.03,2131.2 1418.03,2079.82 1423.06,2074.79 1497.9,2074.79 1504.64,2080.74 1504.64,2127.43 1500.13,2131.94 1488.75,2143.32
  region net 12V_STEP: 1500.48,1902.28 1488.93,1887.42 1337.55,1887.42 1325.79,1902.28 1325.79,1922.7 1325.79,1974.98 1336.61,1987.65 1390.73,1987.65 1417.54,2014.45 1417.54,2031.37 1441.28,2048.11 1495.18,2048.11 1500.48,2040.08
  region net 12V: 1304.11,2394.01 1304.11,2280.71 1328.8,2256.02 1386.18,2256.02 1407.97,2277.82 1407.97,2343.09 1422.6,2357.72 1521.88,2357.72 1534.27,2345.33 1534.27,2274.85 1550.66,2254.35 1626.51,2254.35 1643.66,2271.5 1643.66,2392.51 1616.44,2419.73 1325.52,2419.73
  region: 1330,2423
  region net 12V_STEP: 2118.31,2087.13 2235.44,1970 2119,1970 2119,1985 2087,2017
  region net 12V_STEP: 2046.97,2200.14 2063.68,2220 2107.16,2220 2128,2200.14 2128,2011.06 2059.56,2011.06 2046.97,2025.85
  region: 2102,2117
  region net 12V_STEP: 2288.35,1964.11 2288.35,1896.33 2272.91,1878.3 2134.24,1878.3 2119,1893.54 2119,1979 2268.25,1979
  region net 12V_STEP: 1874,1946.69 1883.12,1956.98 1927.98,1956.98 1940,1944.95 1940,1648.45 1925.96,1627.24 1885.87,1627.24 1874,1648.45
  region net 12V: 981.52,3109.29 1265.52,3109.29 1353.38,3021.29 1353.38,2983.03 1353.38,2965.1 1330.92,2946.29 1077.52,2946.29 1041.52,2910.29 1041.52,2280.29 1021.69,2261.66 905.85,2261.66 893.52,2280.29 893.52,3021.29
Bottom Layer:
  region net 12V_STEP: 1418.04,2134.34 1418.04,1926.34 1417.59,1925.89 1428.08,1915.41 1492.4,1915.41 1502.52,1926.34 1502.52,1931.72 1502.52,2124.31 1492.4,2139.37 1431.28,2139.37 1428.09,2136.17 1418.51,2126.59
  region net 12V_STEP: 1425.92,2343.5 1425.92,2264.9 1450.05,2240.77 1658.19,2240.77 1681.14,2263.72 1727.92,2263.72 1736.32,2272.11 1736.31,2342.04 1725.95,2352.4 1652.55,2352.4 1642.9,2342.75 1642.9,2274.97 1629.6,2263.72 1626.66,2263.72 1549.19,2263.72 1531.48,2281.43 1531.48,2343.28 1519.51,2355.26 1437.68,2355.26
  region net 12V_STEP: 1883.33,1905.29 1883.33,1880.69 1894.98,1867.45 1912.29,1864.29 1931.15,1874.82 1939.7,1898.61 2161.82,1898.61 2167.48,1884.73 2247.78,1884.46 2262.26,1895.88 2262.26,1917.64 2227.71,1941.51 2155.89,1941.51 1889.97,1941.51 1883.33,1932.84
  region: 1893,1945
  region net 12V: 950.49,2380.21 950.49,2280.42 967.74,2269.14 1392.81,2269.14 1398.95,2280.09 1398.65,2390.33 1392.81,2393.72 1386.65,2396.18 972.15,2393.72

## Silkscreen, mask and mechanical layers (free items; w line width, h text height)
Top Overlay:
  text "5V" at 1622,3326 h31.5
  text "5V_WIFI" at 1731,3326 h31.5
  text "DWM_ / SWDIO" at 3755.94,3294.21 h31.5
  text "BLUE / _TX" at 3151.16,3219.68 h31.5
  text "G" at 3528,3170 h31.5
  text "12V" at 1193,2983 h31.5
  text "DWM / _nRST" at 1854,2913 h31.5
  text "DWM / _BLE_WK" at 2070,2913 h31.5
  text "GND" at 1191,2835 h31.5
  text "BTN" at 1879,2600 h31.5
  text "NRST" at 2101,2592 h31.5
  text "5V" at 1176,2587 h31.5
  text "3V3_DWM" at 3735,2437 h31.5
  text "3V3 / _BLU" at 1766,2421 h31.5
  text "3V3_MCU" at 2115,2404 h31.5
  text "G" at 2790,2362 h31.5
  text "G" at 2972,2359 h31.5
  text "BLU_KEY / _HCO5" at 3209,2300 h23.62
  text "SWDIO" at 2664,2274 h31.5
  text "3V3_MCU" at 3371,2220 h31.5
  text "12V" at 1562,2183 h31.5
  text "12V" at 1319,2179 h31.5
  text "5V" at 936,2147 h31.5
  text "BOOT1" at 3438,2123 h31.5
  text "5V" at 4449,2016 h31.5
  text "DWM_TX" at 3685,1867 h31.5
  text "GND" at 881,1754 h31.5
  text "3V3_MC" at 2968,1485 h31.5
  text "VCC_245" at 2972,1363 h31.5
  text "5V" at 2986,1253 h31.5
  text "MTR2_C1" at 1029,1147 h31.5
  text "MTR1_C1" at 1726,1144 h31.5
  text "3V3_MCU" at 2371,1142 h31.5
  text "3V3_MCU" at 3057,1133 h31.5
  text "G" at 4163,1024 h31.5
  text "3V3 / _RF" at 3908,997 h31.5
  text "3V3 / _RF" at 3694,994 h31.5

## Text inside footprints (layer, text, board x,y; h text height)
CR1: Top Overlay "*" at 2844.5,2104.11 h31.5
S6: Top Overlay "3" at 2684.9,1307.09 h31.5; Top Overlay "ON" at 2467.97,1488.19 h31.5; Top Overlay "1" at 2490.41,1307.09 h31.5; Top Overlay "2" at 2584.9,1307.09 h31.5; Mechanical 13 "3" at 2684.9,1307.09 h31.5; Mechanical 13 "1" at 2490.41,1307.09 h31.5; Mechanical 13 "ON" at 2467.97,1488.19 h31.5; Mechanical 13 "2" at 2584.9,1307.09 h31.5
S7: Top Overlay "3" at 2294.94,1307.09 h31.5; Top Overlay "ON" at 2078.01,1488.19 h31.5; Top Overlay "1" at 2100.45,1307.09 h31.5; Top Overlay "2" at 2194.94,1307.09 h31.5; Mechanical 13 "3" at 2294.94,1307.09 h31.5; Mechanical 13 "1" at 2100.45,1307.09 h31.5; Mechanical 13 "ON" at 2078.01,1488.19 h31.5; Mechanical 13 "2" at 2194.94,1307.09 h31.5
U2: Bottom Overlay "*" at 3379,1692.5 h31.5 r90
U5: Bottom Overlay "*" at 2025,2052 h31.5 r90
U9: Top Overlay "*" at 4412,3143.1 h31.5 r180